# KiCad board kharon386_top.kicad_pcb
title: PC-KHARON-386-TOP; date: 2021-12-17; rev: A; company: Eugene Lozovoy
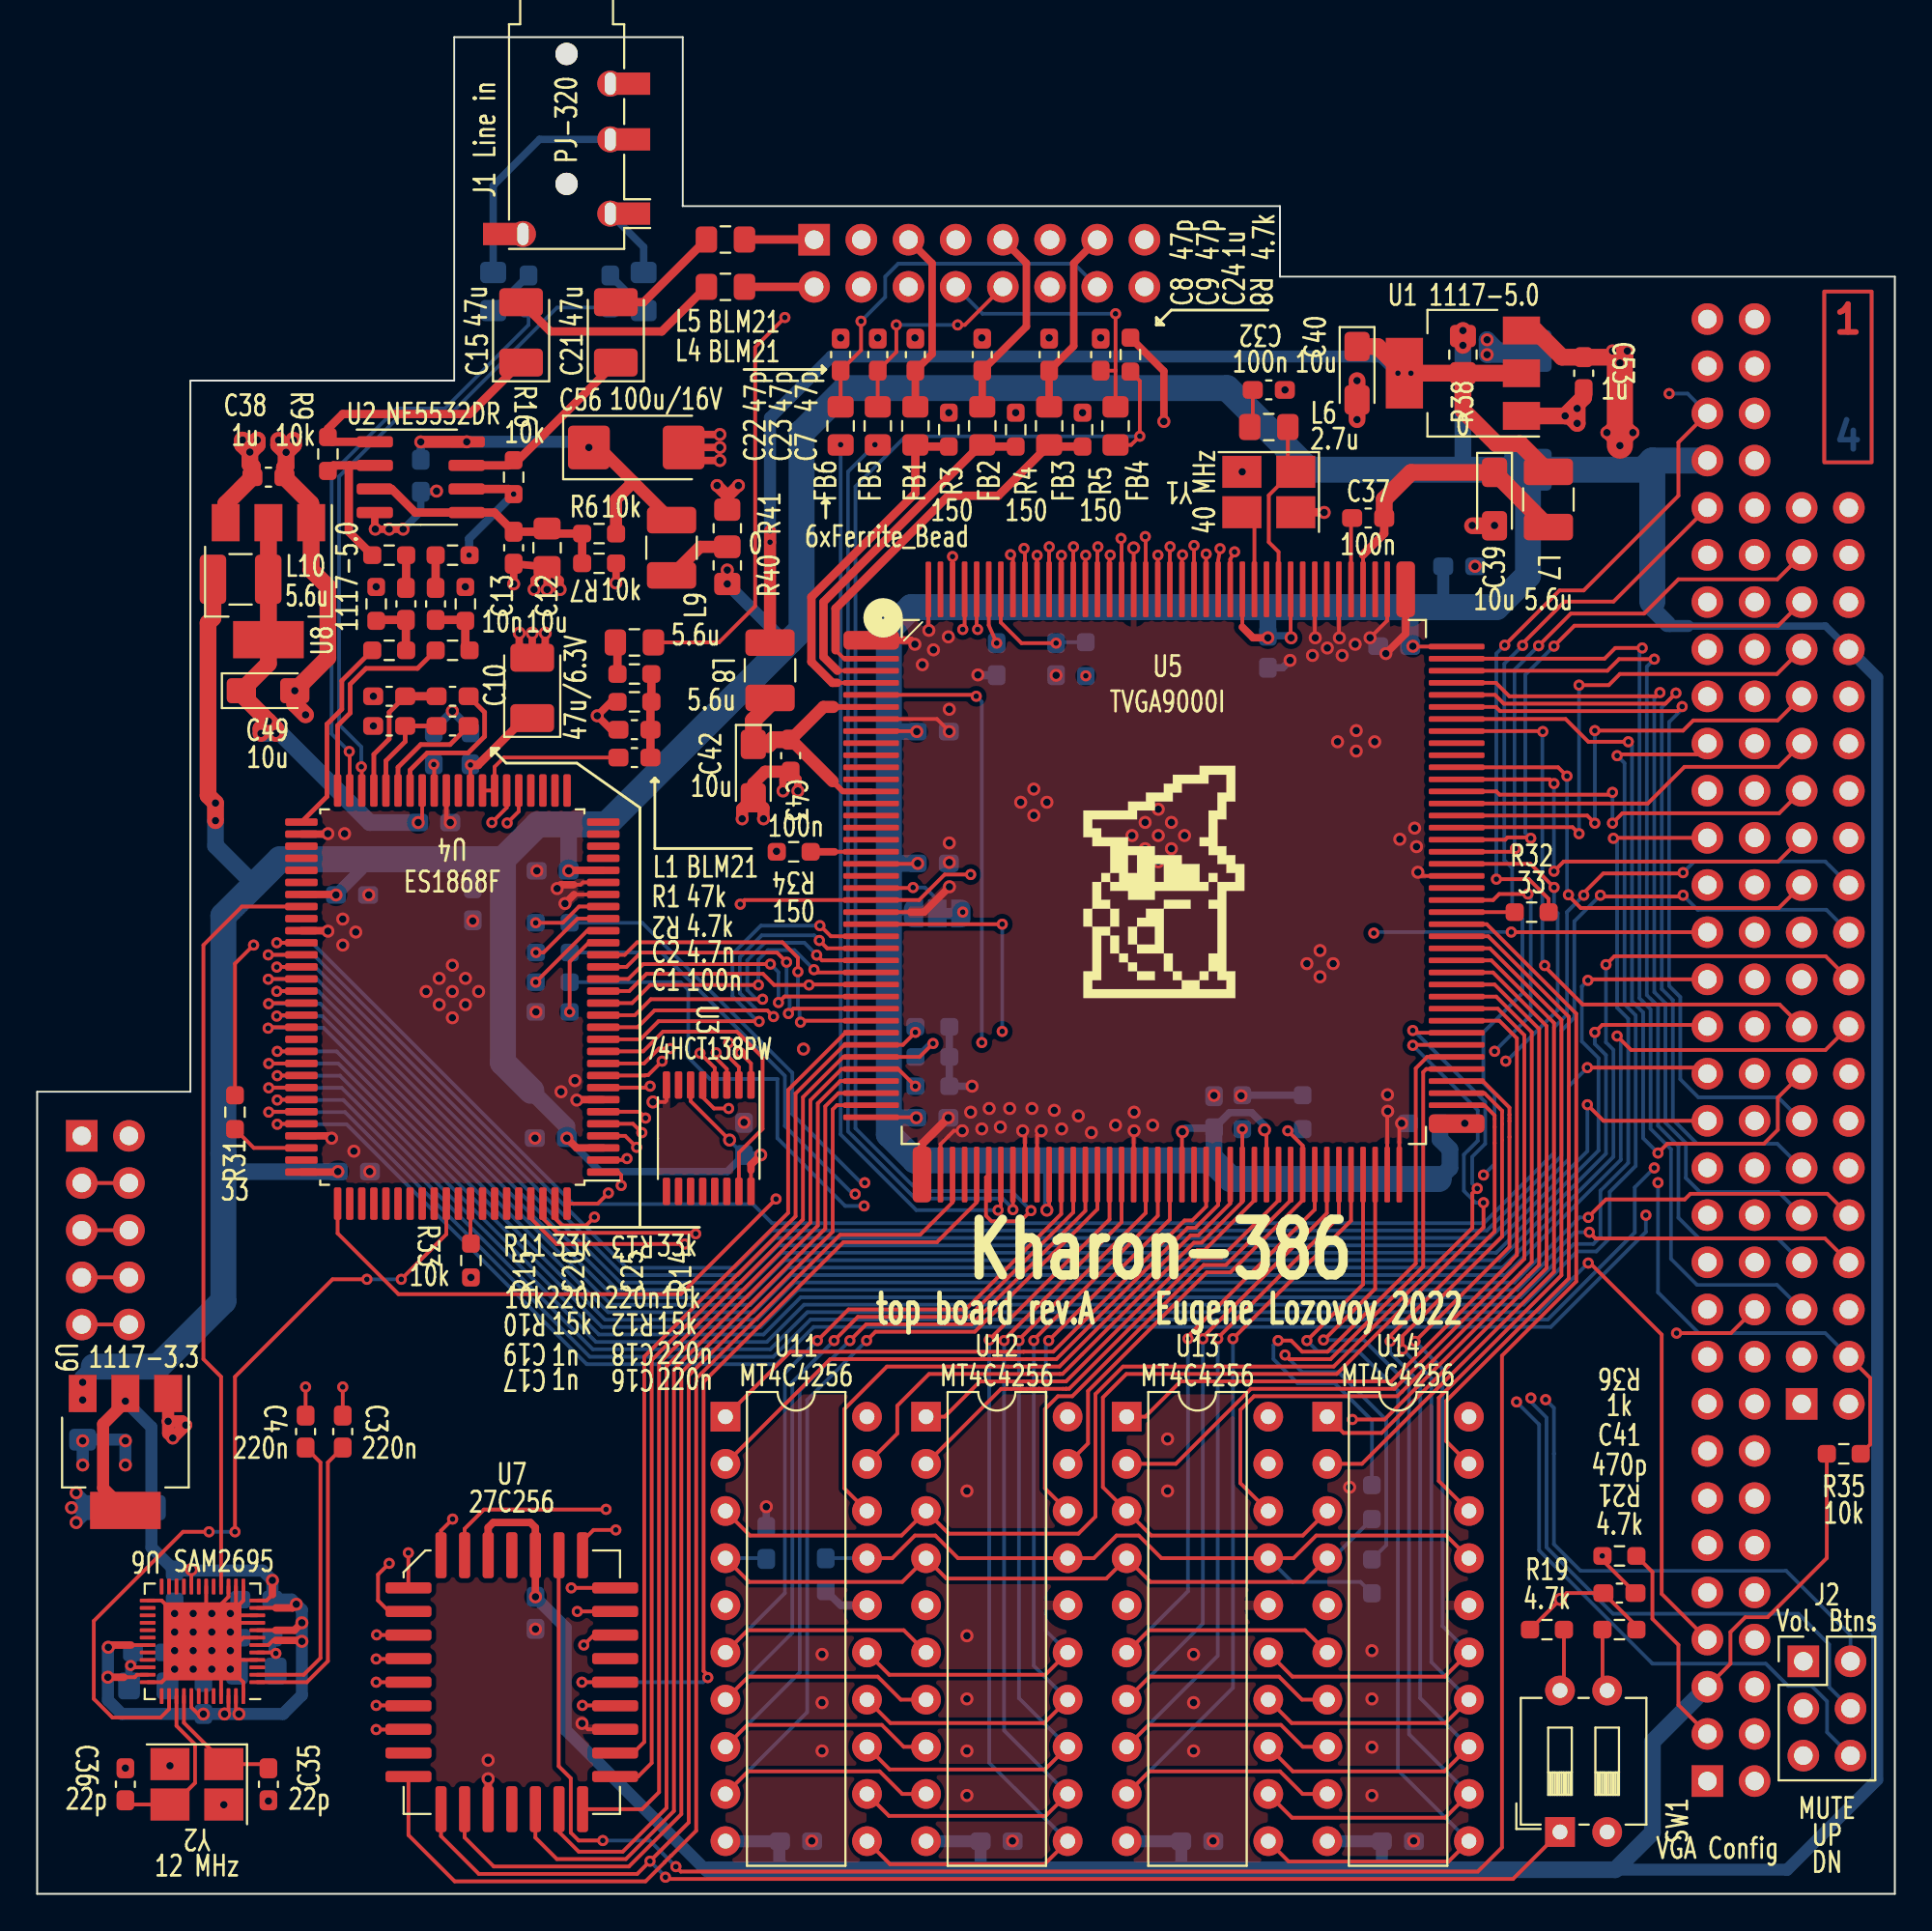
[diagram p0: board, top side]
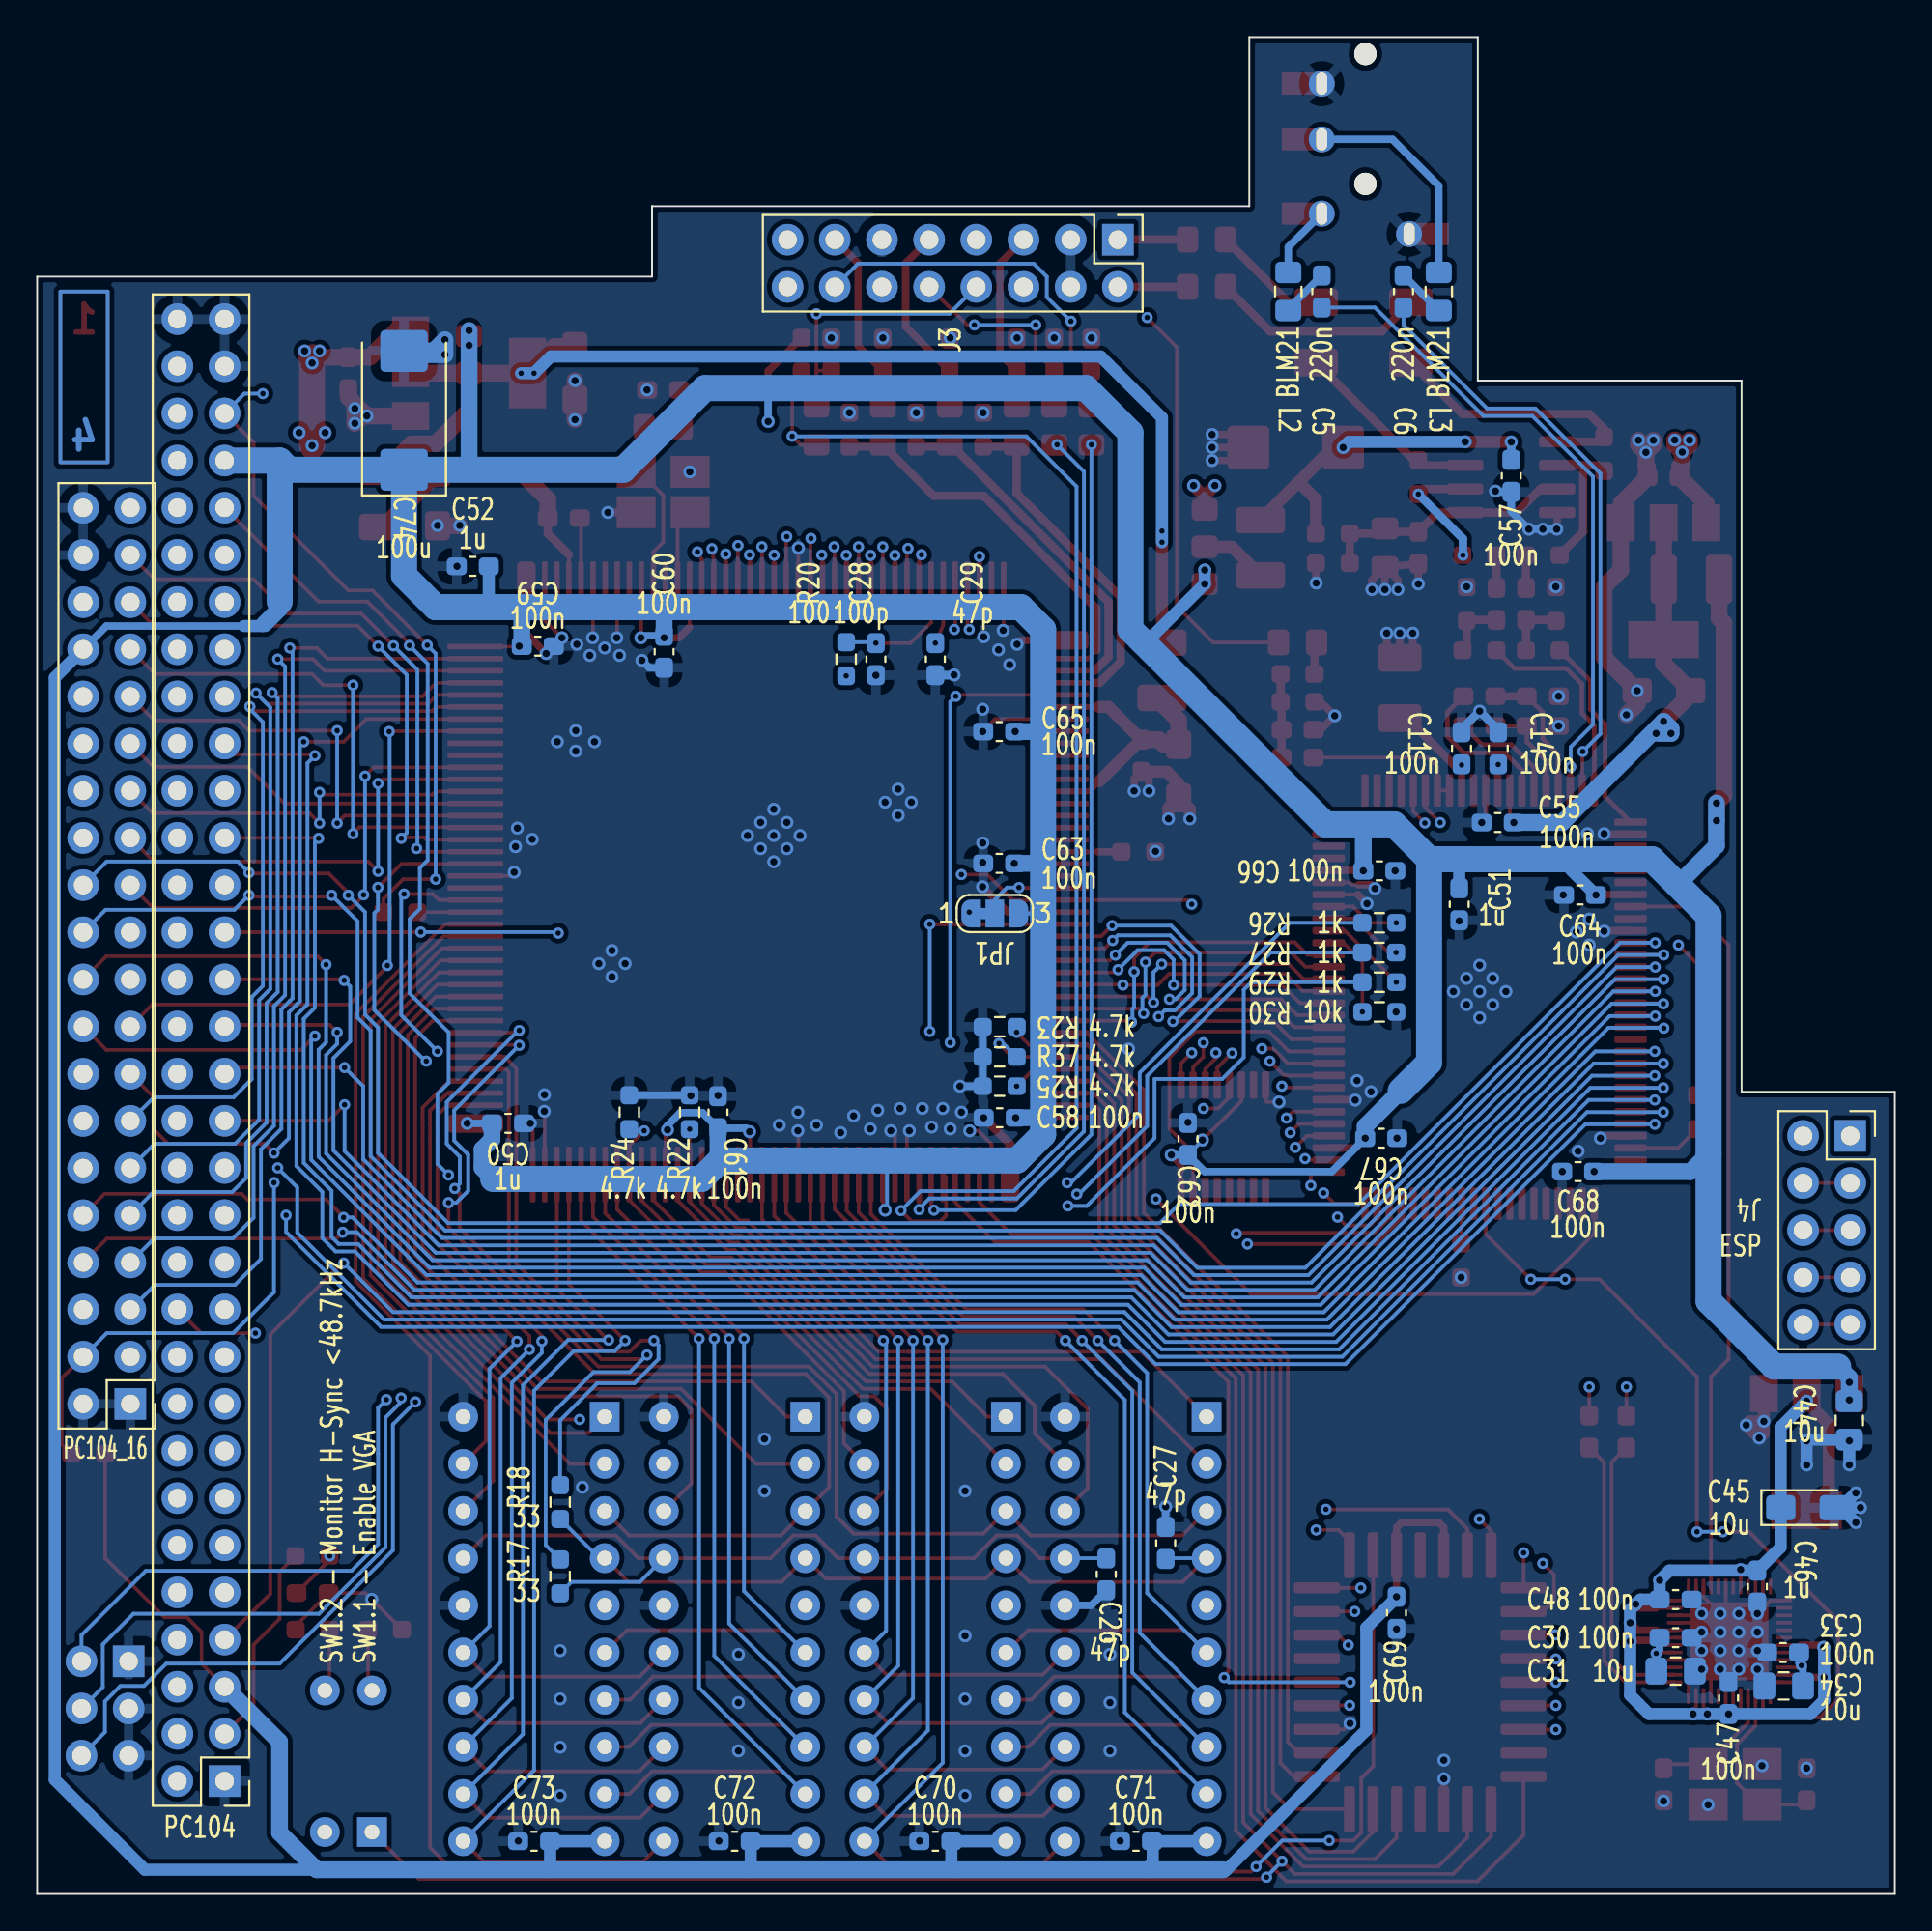
[diagram p1: board, bottom side, seen from below]

Outline 100 x 100 mm; copper layers: Top, In1.Cu, In2.Cu, Bottom. Coordinates in mm from the lower left corner of the outline.
Outline path: 0,43.2 8.25,43.2 8.25,81.5 22.45,81.5 22.45,100 34.75,100 34.75,90.9 66.9,90.9 66.9,87.1 100,87.1 100,0 0,0 0,43.2
Stack: Top 0.035mm / dielectric 1.51mm FR4 er 4.5 / In1.Cu 0.035mm / dielectric 1.51mm FR4 er 4.5 / In2.Cu 0.035mm / dielectric 1.51mm FR4 er 4.5 / Bottom 0.035mm

## Placement (name value [footprint] x y rotation side)
C1  100n  [C_0603_1608Metric_Pad1.08x0.95mm_HandSolder]  32.15 61.2 0 top
C2  4.7n  [C_0603_1608Metric_Pad1.08x0.95mm_HandSolder]  32.15 62.7 0 top
C3  220n  [C_0603_1608Metric_Pad1.08x0.95mm_HandSolder]  16.45 24.9 270 top
C4  220n  [C_0603_1608Metric_Pad1.08x0.95mm_HandSolder]  14.45 24.9 270 top
C5  220n  [C_0603_1608Metric_Pad1.08x0.95mm_HandSolder]  30.85 86.3 90 bottom
C6  220n  [C_0603_1608Metric_Pad1.08x0.95mm_HandSolder]  26.45 86.3 90 bottom
C7  47p  [C_0603_1608Metric_Pad1.08x0.95mm_HandSolder]  47.28 82.9 90 top
C8  47p  [C_0603_1608Metric_Pad1.08x0.95mm_HandSolder]  50.88 82.9 90 top
C9  47p  [C_0603_1608Metric_Pad1.08x0.95mm_HandSolder]  54.47 82.9 90 top
C10  47u/6.3V  [CP_EIA-3528-21_Kemet-B_Pad1.50x2.35mm_HandSolder]  26.65 64.95 90 top
C11  100n  [C_0603_1608Metric_Pad1.08x0.95mm_HandSolder]  23.33 61.7 90 bottom
C12  10u  [C_0805_2012Metric_Pad1.18x1.45mm_HandSolder]  27.45 72.5 90 top
C13  10n  [C_0603_1608Metric_Pad1.08x0.95mm_HandSolder]  25.65 72.5 90 top
C14  100n  [C_0603_1608Metric_Pad1.08x0.95mm_HandSolder]  21.35 61.7 90 bottom
C15  47u  [CP_EIA-3528-21_Kemet-B_Pad1.50x2.35mm_HandSolder]  26.05 84.1 90 top
C16  220n  [C_0603_1608Metric_Pad1.08x0.95mm_HandSolder]  22.36 62.9 180 top
C17  1n  [C_0603_1608Metric_Pad1.08x0.95mm_HandSolder]  18.95 62.9 180 top
C18  220n  [C_0603_1608Metric_Pad1.08x0.95mm_HandSolder]  22.36 64.5 180 top
C19  1n  [C_0603_1608Metric_Pad1.08x0.95mm_HandSolder]  18.95 64.5 180 top
C20  220n  [C_0603_1608Metric_Pad1.08x0.95mm_HandSolder]  19.85 69.47 90 top
C21  47u  [CP_EIA-3528-21_Kemet-B_Pad1.50x2.35mm_HandSolder]  31.15 84.1 90 top
C22  47p  [C_0603_1608Metric_Pad1.08x0.95mm_HandSolder]  43.25 82.9 90 top
C23  47p  [C_0603_1608Metric_Pad1.08x0.95mm_HandSolder]  45.25 82.9 90 top
C24  1u  [C_0603_1608Metric_Pad1.08x0.95mm_HandSolder]  57.25 82.9 90 top
C25  220n  [C_0603_1608Metric_Pad1.08x0.95mm_HandSolder]  21.45 69.47 90 top
C26  47p  [C_0603_1608Metric_Pad1.08x0.95mm_HandSolder]  42.45 17.21 90 bottom
C27  47p  [C_0603_1608Metric_Pad1.08x0.95mm_HandSolder]  39.25 18.9 270 bottom
C28  100p  [C_0603_1608Metric_Pad1.08x0.95mm_HandSolder]  54.85 66.5 270 bottom
C29  47p  [C_0603_1608Metric_Pad1.08x0.95mm_HandSolder]  51.65 66.5 270 bottom
C30  100n  [C_0603_1608Metric_Pad1.08x0.95mm_HandSolder]  11.8 13.8 0 bottom
C31  10u  [C_0805_2012Metric_Pad1.18x1.45mm_HandSolder]  11.8 12 0 bottom
C32  100n  [C_0603_1608Metric_Pad1.08x0.95mm_HandSolder]  66.3 81 180 top
C33  100n  [C_0603_1608Metric_Pad1.08x0.95mm_HandSolder]  6.02 13 180 bottom
C34  10u  [C_0805_2012Metric_Pad1.18x1.45mm_HandSolder]  5.98 11.2 180 bottom
C35  22p  [C_0603_1608Metric_Pad1.08x0.95mm_HandSolder]  12.45 5.9 90 top
C36  22p  [C_0603_1608Metric_Pad1.08x0.95mm_HandSolder]  4.75 5.9 270 top
C37  100n  [C_0603_1608Metric_Pad1.08x0.95mm_HandSolder]  71.65 74.1 0 top
C38  1u  [C_0603_1608Metric_Pad1.08x0.95mm_HandSolder]  12.45 76.3 0 top
C39  10u  [CP_EIA-3216-18_Kemet-A_Pad1.58x1.35mm_HandSolder]  78.45 75.12 270 top
C40  10u  [CP_EIA-3216-18_Kemet-A_Pad1.58x1.35mm_HandSolder]  71.05 81.9 270 top
C41  470p  [C_0603_1608Metric_Pad1.08x0.95mm_HandSolder]  85.18 16.2 0 top
C42  10u  [CP_EIA-3216-18_Kemet-A_Pad1.58x1.35mm_HandSolder]  38.55 60.47 270 top
C43  100n  [C_0603_1608Metric_Pad1.08x0.95mm_HandSolder]  40.56 61.3 270 top
C44  10u  [C_0805_2012Metric_Pad1.18x1.45mm_HandSolder]  2.45 25.5 90 bottom
C45  10u  [CP_EIA-3216-18_Kemet-A_Pad1.58x1.35mm_HandSolder]  4.7 20.8 180 bottom
C46  1u  [C_0603_1608Metric_Pad1.08x0.95mm_HandSolder]  7.4 16.55 90 bottom
C47  100n  [C_0603_1608Metric_Pad1.08x0.95mm_HandSolder]  8.95 10.55 270 bottom
C48  100n  [C_0603_1608Metric_Pad1.08x0.95mm_HandSolder]  11.8 15.85 0 bottom
C49  10u  [CP_EIA-3216-18_Kemet-A_Pad1.58x1.35mm_HandSolder]  12.43 64.8 0 top
C50  1u  [C_0603_1608Metric_Pad1.08x0.95mm_HandSolder]  74.65 41.5 180 bottom
C51  1u  [C_0603_1608Metric_Pad1.08x0.95mm_HandSolder]  23.45 53.3 270 bottom
C52  1u  [C_0603_1608Metric_Pad1.08x0.95mm_HandSolder]  76.55 71.5 0 bottom
C53  1u  [C_0603_1608Metric_Pad1.08x0.95mm_HandSolder]  83.25 81.9 270 top
C55  100n  [C_0603_1608Metric_Pad1.08x0.95mm_HandSolder]  21.38 57.7 0 bottom
C56  100u/16V  [CP_EIA-6032-28_Kemet-C_Pad2.25x2.35mm_HandSolder]  32.25 77.9 0 top
C57  100n  [C_0603_1608Metric_Pad1.08x0.95mm_HandSolder]  20.65 76.37 270 bottom
C58  100n  [C_0603_1608Metric_Pad1.08x0.95mm_HandSolder]  48.19 41.8 0 bottom
C59  100n  [C_0603_1608Metric_Pad1.08x0.95mm_HandSolder]  73.05 67.2 180 bottom
C60  100n  [C_0603_1608Metric_Pad1.08x0.95mm_HandSolder]  66.25 66.9 270 bottom
C61  100n  [C_0603_1608Metric_Pad1.08x0.95mm_HandSolder]  63.35 42.1 90 bottom
C62  100n  [C_0603_1608Metric_Pad1.08x0.95mm_HandSolder]  38.05 40.66 90 bottom
C63  100n  [C_0603_1608Metric_Pad1.08x0.95mm_HandSolder]  48.21 55.5 0 bottom
C64  100n  [C_0603_1608Metric_Pad1.08x0.95mm_HandSolder]  16.95 53.8 0 bottom
C65  100n  [C_0603_1608Metric_Pad1.08x0.95mm_HandSolder]  48.21 62.6 0 bottom
C66  100n  [C_0603_1608Metric_Pad1.08x0.95mm_HandSolder]  27.75 55.1 180 bottom
C67  100n  [C_0603_1608Metric_Pad1.08x0.95mm_HandSolder]  27.65 40.7 180 bottom
C68  100n  [C_0603_1608Metric_Pad1.08x0.95mm_HandSolder]  17.05 38.9 0 bottom
C69  100n  [C_0603_1608Metric_Pad1.08x0.95mm_HandSolder]  26.83 15.14 270 bottom
C70  100n  [C_0603_1608Metric_Pad1.08x0.95mm_HandSolder]  51.65 2.83 0 bottom
C71  100n  [C_0603_1608Metric_Pad1.08x0.95mm_HandSolder]  40.85 2.83 0 bottom
C72  100n  [C_0603_1608Metric_Pad1.08x0.95mm_HandSolder]  62.45 2.83 0 bottom
C73  100n  [C_0603_1608Metric_Pad1.08x0.95mm_HandSolder]  73.25 2.83 0 bottom
C74  100u  [CP_EIA-7343-31_Kemet-D_Pad2.25x2.55mm_HandSolder]  80.25 79.9 90 bottom
FB1  Ferrite_Bead  [L_0805_2012Metric_Pad1.15x1.40mm_HandSolder]  47.28 79.06 90 top
FB2  Ferrite_Bead  [L_0805_2012Metric_Pad1.15x1.40mm_HandSolder]  50.88 79.06 90 top
FB3  Ferrite_Bead  [L_0805_2012Metric_Pad1.15x1.40mm_HandSolder]  54.47 79.06 90 top
FB4  Ferrite_Bead  [L_0805_2012Metric_Pad1.15x1.40mm_HandSolder]  58.05 79.06 90 top
FB5  Ferrite_Bead  [L_0805_2012Metric_Pad1.15x1.40mm_HandSolder]  45.25 79.06 90 top
FB6  Ferrite_Bead  [L_0805_2012Metric_Pad1.15x1.40mm_HandSolder]  43.25 79.06 90 top
J1  PJ-320  [PJ-320A_D]  28.5 94.32 270 top
J2  Vol. Btns  [PinHeader_2x03_P2.54mm_Vertical]  95.07 12.52 0 top
J3  Conn_02x07_Odd_Even  [PinHeader_2x08_P2.54mm_Vertical]  41.82 89.09 270 bottom
J4  ESP  [PinSocket_2x05_P2.54mm_Vertical]  2.4 40.82 180 bottom
J5  PC104_16  [PinHeader_2x20_P2.54mm_Vertical]  94.99 26.39 0 bottom
J6  PC104  [PinHeader_2x32_P2.54mm_Vertical]  89.91 6.07 0 bottom
JP1  SolderJumper_3_Bridged12  [SolderJumper-3_P1.3mm_Bridged12_RoundedPad1.0x1.5mm_NumberLabels]  48.45 52.8 180 bottom
L1  BLM21PG331BH1D  [L_0805_2012Metric_Pad1.15x1.40mm_HandSolder]  32.15 67.4 0 top
L2  BLM21PG331BH1D  [L_0805_2012Metric_Pad1.15x1.40mm_HandSolder]  32.65 86.3 90 bottom
L3  BLM21PG331BH1D  [L_0805_2012Metric_Pad1.15x1.40mm_HandSolder]  24.55 86.3 90 bottom
L4  BLM21PG331BH1D  [L_0805_2012Metric_Pad1.15x1.40mm_HandSolder]  37.05 86.55 0 top
L5  BLM21PG331BH1D  [L_0805_2012Metric_Pad1.15x1.40mm_HandSolder]  37.05 89.1 0 top
L6  2.7u  [L_0805_2012Metric_Pad1.15x1.40mm_HandSolder]  66.3 79 0 top
L7  5.6u  [L_1210_3225Metric_Pad1.42x2.65mm_HandSolder]  81.35 75.1 270 top
L8  5.6u  [L_1210_3225Metric_Pad1.42x2.65mm_HandSolder]  39.45 65.9 270 top
L9  5.6u  [L_1210_3225Metric_Pad1.42x2.65mm_HandSolder]  34.15 72.5 90 top
L10  5.6u  [L_1210_3225Metric_Pad1.42x2.65mm_HandSolder]  10.95 70.8 0 top
LOGO1  graphic  [black-mage-12.5x8.6]  60.65 54.5 0 top
R1  47k  [R_0603_1608Metric_Pad0.98x0.95mm_HandSolder]  32.15 65.7 0 top
R2  4.7k  [R_0603_1608Metric_Pad0.98x0.95mm_HandSolder]  32.15 64.2 180 top
R3  150  [R_0603_1608Metric_Pad0.98x0.95mm_HandSolder]  49.07 78.86 90 top
R4  150  [R_0603_1608Metric_Pad0.98x0.95mm_HandSolder]  52.68 78.86 90 top
R5  150  [R_0603_1608Metric_Pad0.98x0.95mm_HandSolder]  56.28 78.86 90 top
R6  10k  [R_0603_1608Metric_Pad0.98x0.95mm_HandSolder]  30.25 73.26 0 top
R7  10k  [R_0603_1608Metric_Pad0.98x0.95mm_HandSolder]  30.25 71.66 180 top
R8  4.7k  [R_0603_1608Metric_Pad0.98x0.95mm_HandSolder]  58.85 82.9 270 top
R9  10k  [R_0603_1608Metric_Pad0.98x0.95mm_HandSolder]  15.65 77.55 270 top
R10  15k  [R_0603_1608Metric_Pad0.98x0.95mm_HandSolder]  18.95 66.97 180 top
R11  33k  [R_0603_1608Metric_Pad0.98x0.95mm_HandSolder]  18.95 72.1 0 top
R12  15k  [R_0603_1608Metric_Pad0.98x0.95mm_HandSolder]  22.36 66.97 180 top
R13  33k  [R_0603_1608Metric_Pad0.98x0.95mm_HandSolder]  22.36 72.1 180 top
R14  10k  [R_0603_1608Metric_Pad0.98x0.95mm_HandSolder]  23.05 69.47 90 top
R15  10k  [R_0603_1608Metric_Pad0.98x0.95mm_HandSolder]  18.25 69.47 90 top
R16  10k  [R_0603_1608Metric_Pad0.98x0.95mm_HandSolder]  25.65 76.3 270 top
R17  33  [R_0603_1608Metric_Pad0.98x0.95mm_HandSolder]  71.85 17.1 270 bottom
R18  33  [R_0603_1608Metric_Pad0.98x0.95mm_HandSolder]  71.85 21.1 270 bottom
R19  4.7k  [R_0603_1608Metric_Pad0.98x0.95mm_HandSolder]  81.28 14.23 0 top
R20  100  [R_0603_1608Metric_Pad0.98x0.95mm_HandSolder]  56.45 66.5 270 bottom
R21  4.7k  [R_0603_1608Metric_Pad0.98x0.95mm_HandSolder]  85.18 14.23 180 top
R22  4.7k  [R_0603_1608Metric_Pad0.98x0.95mm_HandSolder]  64.88 42.1 270 bottom
R23  4.7k  [R_0603_1608Metric_Pad0.98x0.95mm_HandSolder]  48.19 46.7 180 bottom
R24  4.7k  [R_0603_1608Metric_Pad0.98x0.95mm_HandSolder]  68.12 42.1 270 bottom
R25  4.7k  [R_0603_1608Metric_Pad0.98x0.95mm_HandSolder]  48.19 43.5 180 bottom
R26  1k  [R_0603_1608Metric_Pad0.98x0.95mm_HandSolder]  27.75 52.3 180 bottom
R27  1k  [R_0603_1608Metric_Pad0.98x0.95mm_HandSolder]  27.76 50.7 180 bottom
R29  1k  [R_0603_1608Metric_Pad0.98x0.95mm_HandSolder]  27.75 49.1 180 bottom
R30  10k  [R_0603_1608Metric_Pad0.98x0.95mm_HandSolder]  27.75 47.5 180 bottom
R31  33  [R_0603_1608Metric_Pad0.98x0.95mm_HandSolder]  10.65 42.1 90 top
R32  33  [R_0603_1608Metric_Pad0.98x0.95mm_HandSolder]  80.45 52.87 0 top
R33  10k  [R_0603_1608Metric_Pad0.98x0.95mm_HandSolder]  23.35 34.11 270 top
R34  150  [R_0603_1608Metric_Pad0.98x0.95mm_HandSolder]  40.72 56.12 180 top
R35  10k  [R_0603_1608Metric_Pad0.98x0.95mm_HandSolder]  97.25 23.7 0 top
R36  1k  [R_0603_1608Metric_Pad0.98x0.95mm_HandSolder]  85.18 18.2 180 top
R37  4.7k  [R_0603_1608Metric_Pad0.98x0.95mm_HandSolder]  48.19 45.07 180 bottom
R38  0  [R_0805_2012Metric_Pad1.20x1.40mm_HandSolder]  76.75 82.9 270 top
R40  0  [R_0805_2012Metric_Pad1.20x1.40mm_HandSolder]  37.15 71.55 90 top
R41  0  [R_0805_2012Metric_Pad1.20x1.40mm_HandSolder]  37.15 73.55 270 top
SW1  VGA Config  [SW_DIP_SPSTx02_Slide_6.7x6.64mm_W7.62mm_P2.54mm_LowProfile]  81.97 3.33 90 top
U1  1117-5.0  [SOT-223-3_TabPin2]  76.75 81.9 180 top
U2  NE5532DR  [SOIC-8_3.9x4.9mm_P1.27mm]  20.65 76.3 0 top
U3  74HCT138PW  [TSSOP-16_4.4x5mm_P0.65mm]  36.15 40.7 270 top
U4  ES1868F  [PQFP-100_14x20mm_P0.65mm]  22.35 48.3 180 top
U5  TVGA9000I  [PQFP-160_28x28mm_P0.65mm_LongPads]  60.65 54.5 0 top
U6  SAM2695  [QFN-48-1EP_6x6mm_P0.4mm_EP4.2x4.2mm]  8.9 13.6 180 top
U7  27C256  [PLCC-32_11.4x14.0mm_P1.27mm-longpads]  25.55 11.4 0 top
U8  1117-5.0  [SOT-223-3_TabPin2]  12.45 70.7 270 top
U9  1117-3.3  [SOT-223-3_TabPin2]  4.75 23.8 270 top
U11  MT4C4256  [DIP-20_W7.62mm]  37.05 25.7 0 top
U12  MT4C4256  [DIP-20_W7.62mm]  47.85 25.7 0 top
U13  MT4C4256  [DIP-20_W7.62mm]  58.65 25.7 0 top
U14  MT4C4256  [DIP-20_W7.62mm]  69.45 25.7 0 top
Y1  40 MHz  [Crystal_SMD_SeikoEpson_TSX3225-4Pin_3.2x2.5mm_HandSoldering]  66.3 75.5 180 top
Y2  12 MHz  [Crystal_SMD_SeikoEpson_TSX3225-4Pin_3.2x2.5mm_HandSoldering]  8.6 5.9 180 top

## Library data of the parts
J5 = -: Field4: D    C
J6 = -: Field4: A    B
L10 R37 R38 R40 = -: Desc: Do not install
LOGO1 = -: Desc: Logo

## Footprints (pads in the part's own frame, mm; a bottom-side part is the same pattern mirrored in y, then rotated)
C_0603_1608Metric_Pad1.08x0.95mm_HandSolder
  rrect 1.075x0.95 smd: 1(-0.863,0) 2(0.863,0)
C_0805_2012Metric_Pad1.18x1.45mm_HandSolder
  rrect 1.175x1.45 smd: 1(-1.038,0) 2(1.038,0)
CP_EIA-3216-18_Kemet-A_Pad1.58x1.35mm_HandSolder
  rrect 1.575x1.35 smd: 1(-1.438,0) 2(1.438,0)
CP_EIA-3528-21_Kemet-B_Pad1.50x2.35mm_HandSolder
  rrect 1.5x2.35 smd: 1(-1.625,0) 2(1.625,0)
CP_EIA-6032-28_Kemet-C_Pad2.25x2.35mm_HandSolder
  rrect 2.25x2.35 smd: 1(-2.55,0) 2(2.55,0)
CP_EIA-7343-31_Kemet-D_Pad2.25x2.55mm_HandSolder
  rrect 2.25x2.55 smd: 1(-3.2,0) 2(3.2,0)
Crystal_SMD_SeikoEpson_TSX3225-4Pin_3.2x2.5mm_HandSoldering
  rect 2.1x1.725 smd: 1(-1.45,-1.087) 2(1.45,-1.087) 3(1.45,1.087) 4(-1.45,1.087)
DIP-20_W7.62mm
  rect 1.6x1.6 hole 0.8: 1(0,0)
  oval 1.6x1.6 hole 0.8: 2(0,-2.54) 3(0,-5.08) 4(0,-7.62) 5(0,-10.16) 6(0,-12.7) 7(0,-15.24) 8(0,-17.78) 9(0,-20.32) 10(0,-22.86) 11(7.62,-22.86) 12(7.62,-20.32) 13(7.62,-17.78) 14(7.62,-15.24) 15(7.62,-12.7) 16(7.62,-10.16) 17(7.62,-7.62) 18(7.62,-5.08) 19(7.62,-2.54) 20(7.62,0)
L_0805_2012Metric_Pad1.15x1.40mm_HandSolder
  rrect 1.15x1.4 smd: 1(-1.025,0) 2(1.025,0)
L_1210_3225Metric_Pad1.42x2.65mm_HandSolder
  rrect 1.425x2.65 smd: 1(-1.488,0) 2(1.488,0)
PinHeader_2x03_P2.54mm_Vertical
  rect 1.7x1.7 hole 1: 1(0,0)
  oval 1.7x1.7 hole 1: 2(2.54,0) 3(0,-2.54) 4(2.54,-2.54) 5(0,-5.08) 6(2.54,-5.08)
PinHeader_2x08_P2.54mm_Vertical
  rect 1.7x1.7 hole 1: 1(0,0)
  oval 1.7x1.7 hole 1: 2(2.54,0) 3(0,-2.54) 4(2.54,-2.54) 5(0,-5.08) 6(2.54,-5.08) 7(0,-7.62) 8(2.54,-7.62) 9(0,-10.16) 10(2.54,-10.16) 11(0,-12.7) 12(2.54,-12.7) 13(0,-15.24) 14(2.54,-15.24) 15(0,-17.78) 16(2.54,-17.78)
PinHeader_2x20_P2.54mm_Vertical
  rect 1.7x1.7 hole 1: 1(0,0)
  oval 1.7x1.7 hole 1: 2(2.54,0) 3(0,-2.54) 4(2.54,-2.54) 5(0,-5.08) 6(2.54,-5.08) 7(0,-7.62) 8(2.54,-7.62) 9(0,-10.16) 10(2.54,-10.16) 11(0,-12.7) 12(2.54,-12.7) 13(0,-15.24) 14(2.54,-15.24) 15(0,-17.78) 16(2.54,-17.78) 17(0,-20.32) 18(2.54,-20.32) 19(0,-22.86) 20(2.54,-22.86) 21(0,-25.4) 22(2.54,-25.4) 23(0,-27.94) 24(2.54,-27.94) 25(0,-30.48) 26(2.54,-30.48) 27(0,-33.02) 28(2.54,-33.02) 29(0,-35.56) 30(2.54,-35.56) 31(0,-38.1) 32(2.54,-38.1) 33(0,-40.64) 34(2.54,-40.64) 35(0,-43.18) 36(2.54,-43.18) 37(0,-45.72) 38(2.54,-45.72) 39(0,-48.26) 40(2.54,-48.26)
PinHeader_2x32_P2.54mm_Vertical
  rect 1.7x1.7 hole 1: 1(0,0)
  oval 1.7x1.7 hole 1: 2(2.54,0) 3(0,-2.54) 4(2.54,-2.54) 5(0,-5.08) 6(2.54,-5.08) 7(0,-7.62) 8(2.54,-7.62) 9(0,-10.16) 10(2.54,-10.16) 11(0,-12.7) 12(2.54,-12.7) 13(0,-15.24) 14(2.54,-15.24) 15(0,-17.78) 16(2.54,-17.78) 17(0,-20.32) 18(2.54,-20.32) 19(0,-22.86) 20(2.54,-22.86) 21(0,-25.4) 22(2.54,-25.4) 23(0,-27.94) 24(2.54,-27.94) 25(0,-30.48) 26(2.54,-30.48) 27(0,-33.02) 28(2.54,-33.02) 29(0,-35.56) 30(2.54,-35.56) 31(0,-38.1) 32(2.54,-38.1) 33(0,-40.64) 34(2.54,-40.64) 35(0,-43.18) 36(2.54,-43.18) 37(0,-45.72) 38(2.54,-45.72) 39(0,-48.26) 40(2.54,-48.26) 41(0,-50.8) 42(2.54,-50.8) 43(0,-53.34) 44(2.54,-53.34) 45(0,-55.88) 46(2.54,-55.88) 47(0,-58.42) 48(2.54,-58.42) 49(0,-60.96) 50(2.54,-60.96) 51(0,-63.5) 52(2.54,-63.5) 53(0,-66.04) 54(2.54,-66.04) 55(0,-68.58) 56(2.54,-68.58) 57(0,-71.12) 58(2.54,-71.12) 59(0,-73.66) 60(2.54,-73.66) 61(0,-76.2) 62(2.54,-76.2) 63(0,-78.74) 64(2.54,-78.74)
PinSocket_2x05_P2.54mm_Vertical
  rect 1.7x1.7 hole 1: 1(0,0)
  oval 1.7x1.7 hole 1: 2(-2.54,0) 3(0,-2.54) 4(-2.54,-2.54) 5(0,-5.08) 6(-2.54,-5.08) 7(0,-7.62) 8(-2.54,-7.62) 9(0,-10.16) 10(-2.54,-10.16)
PJ-320A_D
  round 1.2 hole 1.2 unplated: (-4.775,0) (2.225,0)
  rect 1.2x2.5 smd: R1(-0.175,3.25) R2(-3.175,3.25) S(4.925,-3.25) T(3.825,3.25)
  round 1.4 hole 1.2x0.6: R1(-0.175,2.35) R2(-3.175,2.35) S(4.925,-2.35) T(3.825,2.35)
PLCC-32_11.4x14.0mm_P1.27mm-longpads
  rrect 0.6x2.475 smd: 1(0,6.838) 2(-1.27,6.838) 3(-2.54,6.838) 4(-3.81,6.838) 14(-3.81,-6.838) 15(-2.54,-6.838) 16(-1.27,-6.838) 17(0,-6.838) 18(1.27,-6.838) 19(2.54,-6.838) 20(3.81,-6.838) 30(3.81,6.838) 31(2.54,6.838) 32(1.27,6.838)
  rrect 2.475x0.6 smd: 5(-5.562,5.08) 6(-5.562,3.81) 7(-5.562,2.54) 8(-5.562,1.27) 9(-5.562,0) 10(-5.562,-1.27) 11(-5.562,-2.54) 12(-5.562,-3.81) 13(-5.562,-5.08) 21(5.562,-5.08) 22(5.562,-3.81) 23(5.562,-2.54) 24(5.562,-1.27) 25(5.562,0) 26(5.562,1.27) 27(5.562,2.54) 28(5.562,3.81) 29(5.562,5.08)
PQFP-100_14x20mm_P0.65mm
  rrect 1.75x0.4 smd: 1(-8.125,9.425) 2(-8.125,8.775) 3(-8.125,8.125) 4(-8.125,7.475) 5(-8.125,6.825) 6(-8.125,6.175) 7(-8.125,5.525) 8(-8.125,4.875) 9(-8.125,4.225) 10(-8.125,3.575) 11(-8.125,2.925) 12(-8.125,2.275) 13(-8.125,1.625) 14(-8.125,0.975) 15(-8.125,0.325) 16(-8.125,-0.325) 17(-8.125,-0.975) 18(-8.125,-1.625) 19(-8.125,-2.275) 20(-8.125,-2.925) 21(-8.125,-3.575) 22(-8.125,-4.225) 23(-8.125,-4.875) 24(-8.125,-5.525) 25(-8.125,-6.175) 26(-8.125,-6.825) 27(-8.125,-7.475) 28(-8.125,-8.125) 29(-8.125,-8.775) 30(-8.125,-9.425) 51(8.125,-9.425) 52(8.125,-8.775) 53(8.125,-8.125) 54(8.125,-7.475) 55(8.125,-6.825) 56(8.125,-6.175) 57(8.125,-5.525) 58(8.125,-4.875) 59(8.125,-4.225) 60(8.125,-3.575) 61(8.125,-2.925) 62(8.125,-2.275) 63(8.125,-1.625) 64(8.125,-0.975) 65(8.125,-0.325) 66(8.125,0.325) 67(8.125,0.975) 68(8.125,1.625) 69(8.125,2.275) 70(8.125,2.925) 71(8.125,3.575) 72(8.125,4.225) 73(8.125,4.875) 74(8.125,5.525) 75(8.125,6.175) 76(8.125,6.825) 77(8.125,7.475) 78(8.125,8.125) 79(8.125,8.775) 80(8.125,9.425)
  rrect 0.4x1.75 smd: 31(-6.175,-11.125) 32(-5.525,-11.125) 33(-4.875,-11.125) 34(-4.225,-11.125) 35(-3.575,-11.125) 36(-2.925,-11.125) 37(-2.275,-11.125) 38(-1.625,-11.125) 39(-0.975,-11.125) 40(-0.325,-11.125) 41(0.325,-11.125) 42(0.975,-11.125) 43(1.625,-11.125) 44(2.275,-11.125) 45(2.925,-11.125) 46(3.575,-11.125) 47(4.225,-11.125) 48(4.875,-11.125) 49(5.525,-11.125) 50(6.175,-11.125) 81(6.175,11.125) 82(5.525,11.125) 83(4.875,11.125) 84(4.225,11.125) 85(3.575,11.125) 86(2.925,11.125) 87(2.275,11.125) 88(1.625,11.125) 89(0.975,11.125) 90(0.325,11.125) 91(-0.325,11.125) 92(-0.975,11.125) 93(-1.625,11.125) 94(-2.275,11.125) 95(-2.925,11.125) 96(-3.575,11.125) 97(-4.225,11.125) 98(-4.875,11.125) 99(-5.525,11.125) 100(-6.175,11.125)
PQFP-160_28x28mm_P0.65mm_LongPads
  rrect 3x1 smd: 1(-15.748,13.018) 81(15.76,-13.018)